# KiCad board Boom-1.kicad_pcb (continued)
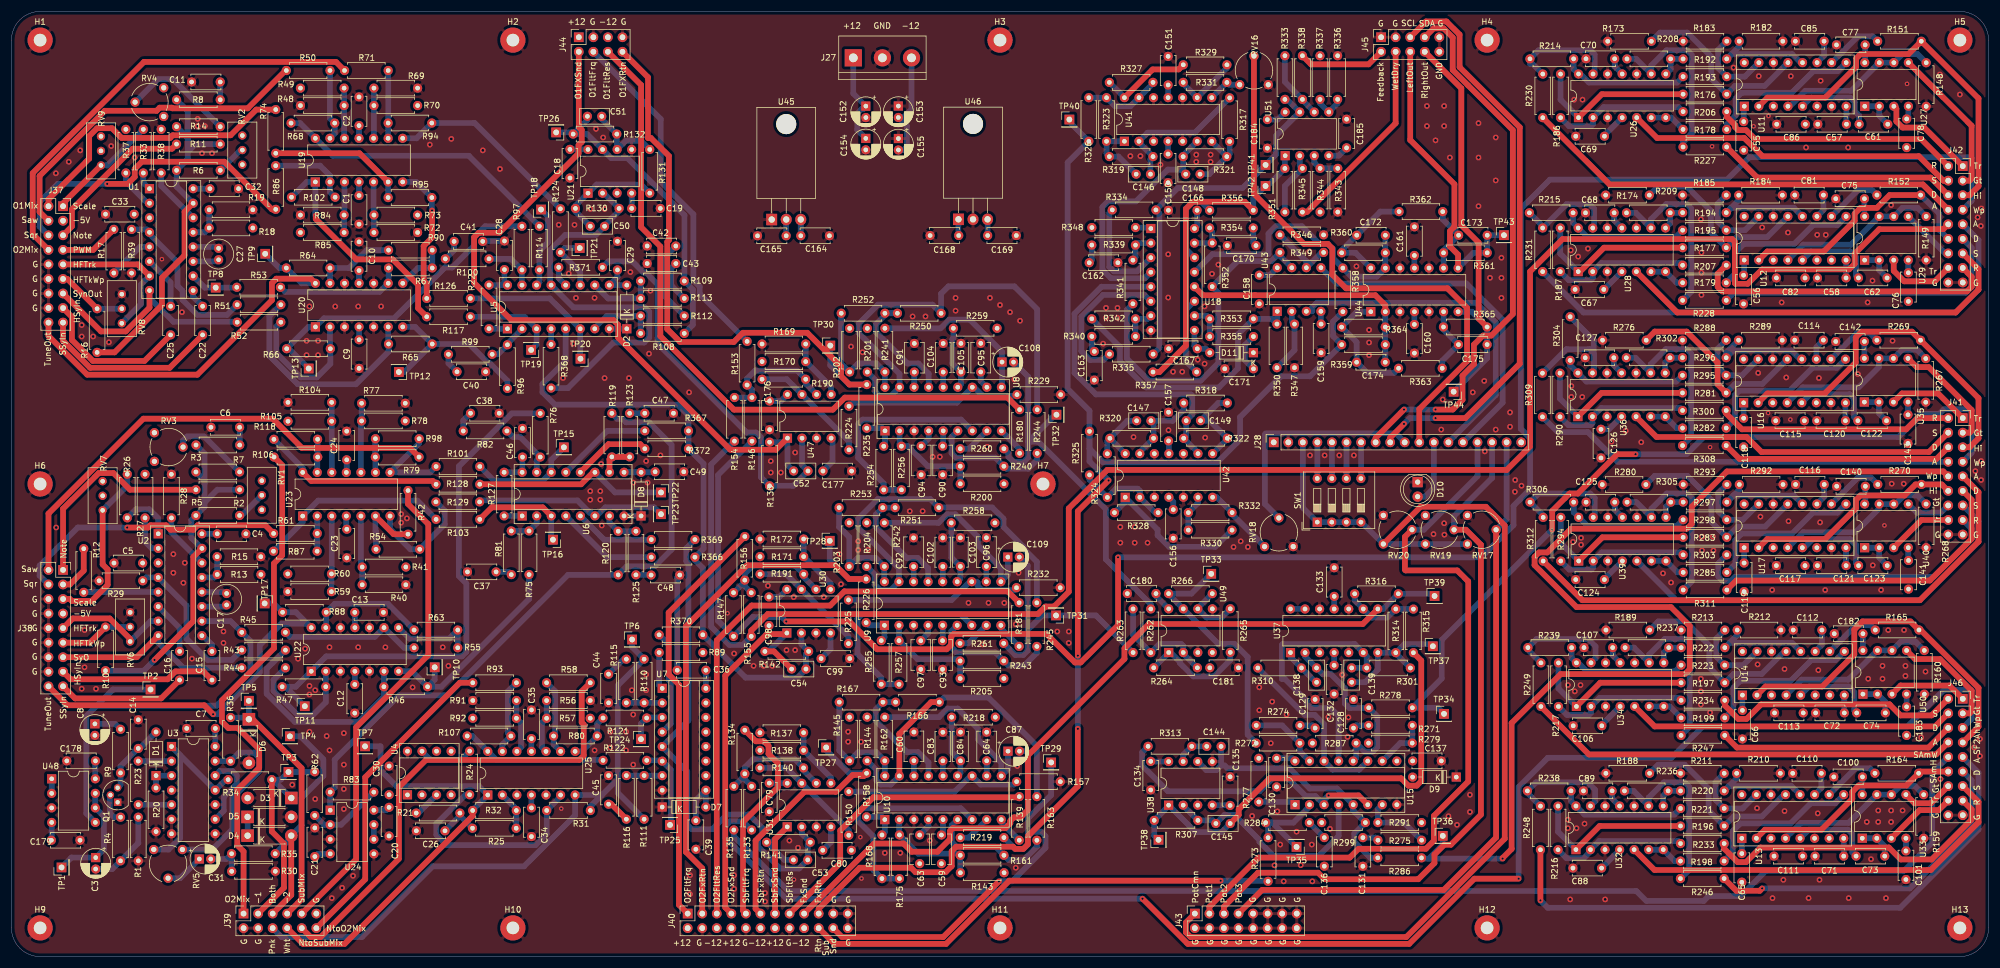
[diagram p0: board, top side]
## Nets (continued)
Net-(R222-Pad2): R222.2 R237.1 U34.8
Net-(R223-Pad2): R223.2 R239.1 U34.14
Net-(R224-Pad1): R224.1 R229.1 U8.12
Net-(R225-Pad1): R225.1 R232.1 U9.12
Net-(R226-Pad1): R226.1 R255.2 U9.1
Net-(R235-Pad1): R235.1 R254.2 U8.1
Net-(R236-Pad2): R236.2 R246.2 U32.9
Net-(R237-Pad2): R237.2 R247.2 U34.9
Net-(R238-Pad2): R238.2 R248.2 U32.13
Net-(R239-Pad2): R239.2 R249.2 U34.13
Net-(R240-Pad1): R240.1 R244.1 U8.6
Net-(R243-Pad1): R243.1 R245.1 U9.6
Net-(R250-Pad2): R250.2 R252.2 U8.15
Net-(R251-Pad2): R251.2 R253.2 U9.15
Net-(R254-Pad1): R254.1 R256.1 U8.7
Net-(R255-Pad1): R255.1 R257.1 U9.7
Net-(R260-Pad2): R260.2 U8.8
Net-(R261-Pad2): R261.2 U9.8
Net-(R262-Pad1): R262.1 R263.2 R264.2 U49.2
Net-(R264-Pad1): R264.1 R265.2 U49.1
Net-(R265-Pad1): R265.1 R266.2 U49.6
Net-(R266-Pad1): R266.1 R272.1 TP33.1 U49.7
Net-(R267-Pad1): R267.1 U16.4 U35.6 U35.7
Net-(R268-Pad1): R268.1 U17.4 U40.6 U40.7
Net-(R269-Pad1): R269.1 U16.10
Net-(R270-Pad1): R270.1 U17.10
Net-(R271-Pad1): R271.1 R279.2 U15.10
Net-(R272-Pad2): R272.2 R274.1 U15.15
Net-(R273-Pad1): R273.1 R284.1 TP35.1 U15.2
Net-(R275-Pad1): R275.1 R291.2 U15.7
Net-(R276-Pad1): R276.1 R281.1 U16.13
Net-(R277-Pad1): R277.1 U15.1
Net-(R280-Pad1): R280.1 R283.1 U17.13
Net-(R281-Pad2): R281.2 R290.1 U36.1
Net-(R282-Pad1): R282.1 U16.9
Net-(R282-Pad2): R282.2 U36.6 U36.7
Net-(R283-Pad2): R283.2 R294.1 U39.1
Net-(R285-Pad1): R285.1 U17.9
Net-(R285-Pad2): R285.2 U39.6 U39.7
Net-(R288-Pad1): R288.1 R295.1 U16.15
Net-(R289-Pad1): R289.1 R296.1 U16.12
Net-(R290-Pad2): R290.2 R300.2 U36.2
Net-(R292-Pad1): R292.1 R297.1 U17.12
Net-(R293-Pad1): R293.1 R298.1 U17.15
Net-(R294-Pad2): R294.2 R303.2 U39.2
Net-(R295-Pad2): R295.2 R304.1 U36.14
Net-(R296-Pad2): R296.2 R302.1 U36.8
Net-(R297-Pad2): R297.2 R305.1 U39.8
Net-(R298-Pad2): R298.2 R306.1 U39.14
Net-(R302-Pad2): R302.2 R308.2 U36.9
Net-(R304-Pad2): R304.2 R309.2 U36.13
Net-(R305-Pad2): R305.2 R311.2 U39.9
Net-(R306-Pad2): R306.2 R312.2 U39.13
Net-(R310-Pad2): R310.2 U15.11 U15.14
Net-(R313-Pad2): R313.2 U15.3 U15.6
Net-(R314-Pad2): R314.2 R315.1 R316.2 U37.9
Net-(R323-Pad1): R323.1 R326.1 R327.2 U41.13
Net-(R324-Pad1): R324.1 R325.1 R328.2 U42.2
Net-(R327-Pad1): R327.1 R329.2 U41.14
Net-(R328-Pad1): R328.1 R330.2 U42.1
Net-(R329-Pad1): R329.1 R331.2 U41.9
Net-(R330-Pad1): R330.1 R332.2 U42.6
Net-(R331-Pad1): R331.1 RV16.3 U41.8
Net-(R332-Pad1): R332.1 RV18.3 U42.7
Net-(R333-Pad1): R333.1 R338.2 U51.6
Net-(R333-Pad2): R333.2 R334.1 R335.2 TP41.1 U51.7
Net-(R334-Pad2): R334.2 U18.3
Net-(R335-Pad1): R335.1 U18.6
Net-(R336-Pad2): R336.2 R337.2 U51.5
Net-(R339-Pad1): R339.1 R341.1 U18.2
Net-(R340-Pad1): R340.1 R342.1 U18.7
Net-(R341-Pad2): R341.2 R349.2 R352.2 U43.7
Net-(R342-Pad2): R342.2 R350.2 R353.2 U43.1
Net-(R343-Pad2): R343.2 R344.2 U51.3
Net-(R345-Pad2): R345.2 R351.1 U51.2
Net-(R346-Pad2): R346.2 R349.1 U43.6
Net-(R347-Pad2): R347.2 R350.1 U43.2
Net-(R348-Pad1): R348.1 U18.1
Net-(R351-Pad2): R351.2 R356.1 R357.2 TP42.1 U51.1
Net-(R352-Pad1): R352.1 R354.1 U18.15
Net-(R353-Pad1): R353.1 R355.1 U18.10
Net-(R356-Pad2): R356.2 U18.14
Net-(R357-Pad1): R357.1 U18.11
Net-(R366-Pad1): R366.1 U6.4
Net-(R367-Pad2): R367.2 U6.13
Net-(R368-Pad1): R368.1 U5.4
Net-(R369-Pad2): R369.2 U6.5
Net-(R370-Pad1): R370.1 U7.4
Net-(R371-Pad2): R371.2 U5.12
Net-(R372-Pad2): R372.2 U6.12
Net-(U3-Pad12): U3.9 U3.12
Net-(U4-Pad2): U4.2
Net-(U4-Pad4): U4.4
Net-(U4-Pad5): U4.5
Net-(U4-Pad6): U4.6
Net-(U11-Pad3): U11.3
Net-(U11-Pad16): U11.16
Net-(U12-Pad3): U12.3
Net-(U12-Pad16): U12.16
Net-(U13-Pad3): U13.3
Net-(U13-Pad16): U13.16
Net-(U14-Pad3): U14.3
Net-(U14-Pad16): U14.16
Net-(U16-Pad3): U16.3
Net-(U16-Pad16): U16.16
Net-(U17-Pad3): U17.3
Net-(U17-Pad16): U17.16
Net-(U24-Pad6): U24.6 U24.7
Net-(U37-Pad13): U37.13 U37.14
Net-(U48-Pad1): U48.1 U48.2

Pads without a net: U7 10 11 12 13 14 15

## Via types
v1: diameter 0.8, hole 0.4, Top to Bottom, 39 vias
v2: diameter 1, hole 0.5, Top to Bottom, 359 vias

## Routing (per net, layer and track width the routed paths; a pad name or vN(x,y) marks a point on that pad's centre or on a via; arc(x,y) is an arc through that point)
+5V: length 614
  +12V.Cu w1: R344.1 226.84,128.48 221.49,128.48 221.27,128.7 ; R78.1 68.72,87.38 70.7,85.4 70.7,73.02 68.82,71.14 R41.1 67.32,66.5 57.76,66.5 56.56,65.3 49.72,65.3 R60.1 ; R78.1 67.22,95.01 49.8,95.01 R105.1 49.75,94.96 49.75,125.74 R85.1 53.56,123.27 63.55,123.27 69.74,129.46 R73.1 R70.1 69.37,150.07 69.37,153.28 66.46,156.19 53.87,156.19 50.43,152.75 R49.1 ; R78.1 72.9,97.69 111,97.69 120.77,107.45 ; C30.1 65.92,28.23 U4.1 70.62,29.75 94.51,29.75 100.2,35.44 100.2,40.8 R57.1 102.5,43.1 102.5,54.71 ; U46.3 170.33,129.53 185.38,144.58 214.93,144.58 227.62,157.27 R337.1 ; U46.3 170.48,128.85 201.1,128.85 201.25,128.7 221.27,128.7 ; U46.3 170.33,126.71 157.44,113.81 127.13,113.81 120.77,107.45 ; 102.5,54.71 115.9,68.11 119.86,68.11 120.77,69.01 120.77,107.45 ; 102.5,54.71 92.81,54.71 82,43.9 82,43.1 R92.1 ; 221.27,128.7 219.33,126.77 219.33,90.71 J28.1
  Bottom w1: U46.3 170.33,125.9 C169.2
+12V: length 187.3
  Bottom w1: U36.4 278.75,92.05 C126.2 ; U29.8 323.35,129.24 C75.2 ; U28.4 277.9,116.47 C67.2 ; U12.11 316.19,130.34 C81.2 ; C100.2 322.97,31.33 U33.8 ; U13.11 315.83,29.44 C110.2 ; C88.2 280.62,18.58 U32.4 ; U44.4 244.82,110.37 C160.2 ; C158.2 219.58,118.96 U43.8 ; C184.2 220.95,146.13 U51.8 ; C166.1 206.89,127.56 U18.16 ; C150.2 U41.4 ; C156.2 202.73,79.42 U42.4 ; U46.1 165.25,125.93 C168.1 ; C154.1 147.59,144.33 147.59,147.2 148.37,147.98 148.68,147.98 149.09,148.39 C152.1 146.9,150.67 J27.1 ; C36.1 121.18,46.82 U7.16 ; U49.8 199.72,62.92 C180.2 ; U38.8 198.83,34.05 C134.2 ; C130.1 223.49,34.61 U15.16 ; U37.4 230.81,50.85 C132.2 ; C124.2 277.97,65.92 U39.4 ; C140.2 323.51,79.13 U40.8 ; C116.2 316.33,80.28 U17.11 ; U16.11 314.96,106.4 C114.2 ; C142.2 323.34,104.43 U35.8 ; C182.2 323.08,53.44 U50.8 ; C112.2 315.92,54.43 U14.11 ; C106.2 277.52,40.48 U34.4 ; C83.1 162.54,31.55 U10.14 ; C104.1 162.59,99.4 U8.14 ; C176.2 134.27,96.98 U47.8 ; C98.2 133.99,62.78 U30.8 ; U9.14 162.49,68.06 162.53,68.09 C102.1 ; U25.4 C34.2 ; U24.8 65.39,25.55 C20.2 ; C8.1 18.09,40.62 R9.1 ; U48.8 14.63,34.13 C178.2 ; C7.2 35.58,36.7 U3.14 ; U23.4 58.44,74.69 C23.2 ; U22.4 59.93,47.53 C12.2 ; C4.1 33.23,73.81 U2.16 ; C46.1 89.17,84.6 U6.16 R127.2 ; C18.2 100.58,140.92 U21.8 ; C28.1 86.03,117.74 U5.16 86.54,117.23 R22.2 ; U20.4 C9.2 ; U19.4 C1.2 ; U1.16 C32.1 ; C69.2 277.98,143.38 U26.4 ; C77.2 323.47,156.14 U27.8 323.39,156.08 ; C85.2 316.3,157.29 U11.11 ; U31.8 132.26,30.26 C79.2
-5V: length 1137.5
  -12V.Cu w1: U2.3 25.59,68.71 C5.2 ; C5.2 14.06,59.88 J38.7 ; C5.2 17.33,74.26 17.33,79.02 15.91,80.44 RV7.3 16.19,82.7 21.81,82.7 R27.1 23.31,93.27 30.54,100.5 85.64,100.5 87.97,102.83 114.73,102.83 C164.1 ; C164.1 136.85,126.73 136.85,129.45 131.63,134.67 131.63,134.78 99.25,134.78 98.89,134.42 71.3,134.42 68.85,136.87 47.13,136.87 45.82,135.56 30.66,135.56 U1.3 22.04,128.98 C33.2 18.46,132.56 ; C164.1 139.28,127.38 156.58,127.38 186.62,97.34 186.62,90.18 194.83,81.96 236.14,81.96 238.72,84.54 318.28,84.54 321.88,80.95 321.88,78.21 U17.6 315.05,70.32 C117.1 314.81,66.42 316.62,66.42 321.33,61.71 321.33,52.22 U14.6 314.75,44.62 C113.1 314.16,41.03 316.01,41.03 321.47,35.57 321.47,27.46 U13.6 314.65,19.61 C111.1 ; C164.1 137.74,125.84 U45.3 ; C164.1 142.51,130.61 166.57,130.61 179.8,143.83 213.17,143.83 221.47,152.13 311.4,152.13 U11.6 315.08,147.36 C86.1 314.86,143.5 316.54,143.5 317.35,142.69 317.35,136.89 312.4,131.94 312.4,130.72 320.86,130.72 321.64,129.94 321.64,128.18 U12.6 315.06,120.56 C82.1 314.8,116.66 316.64,116.66 321.54,111.76 321.54,103.26 U16.6 314.96,95.64 C115.1 ; C164.1 139.24,124.34 157.34,124.34 R259.2 177.42,104.26 177.42,84.21 171.61,78.4 R258.2 172.74,75.71 180.43,68.03 180.43,50.54 ; R287.2 225.53,38.75 191.25,38.75 180.43,49.57 180.43,50.54 ; R287.2 228.52,35.76 235.3,35.76 R279.1 ; R287.2 225.39,35.63 223.25,35.63 222.47,34.85 222.47,25.15 222.74,24.88 227.15,24.88 R299.2 230.14,24.89 244.56,24.89 R291.1 ; 18.46,132.56 18.46,137.82 RV9.2 RV9.3 18.74,143.2 R37.1 ; 18.46,132.56 17.14,132.56 13.04,128.46 J37.3 ; 180.43,50.54 R218.2
  Bottom w1: 25.59,68.71 U2.3 ; C164.1 137.74,125.84 U45.3
-12V: length 139
  Bottom w1: C133.1 230.82,60.69 U37.11 ; C76.1 331,119.4 U29.4 ; U28.11 279.67,128.54 C68.1 ; U32.11 279.31,27.59 C89.1 ; U33.4 C101.1 ; U44.11 244.82,122.39 C161.1 ; U43.4 228.5,110.45 C159.1 ; U51.4 231.61,139.82 C185.1 ; D11.2 208.41,106.11 C167.2 206.44,106.61 U18.9 206.44,109.03 ; C151.1 201.84,149.96 U41.11 ; U42.11 201.97,89.97 C157.1 ; C165.2 135.19,128.67 U45.2 ; C39.2 119.43,27.29 U7.9 121.18,26.11 D7.2 ; C29.2 105.75,118.64 U5.9 D2.2 ; C24.1 58.5,84.58 U23.11 ; U38.4 212.6,26.43 ; U47.4 143.28,90.26 143.28,86.43 C177.1 ; C125.1 279.78,78.01 U39.11 ; U40.4 331,69.19 C141.1 ; C127.1 279.62,103.23 U36.11 ; U35.4 330.95,94.59 C143.1 ; U50.4 330.7,43.61 C183.1 ; C107.1 279.41,52.58 U34.11 ; U30.4 142.93,53.67 C99.1 ; C35.1 U25.11 ; C13.1 59.91,57.44 U22.11 ; C10.1 60.65,117.56 U20.11 ; U24.4 53.41,17.93 C21.1 ; U48.4 7.02,20.37 C179.1 ; C49.2 112.24,84.55 U6.9 D8.2 ; U21.4 C19.1 ; C2.1 U19.11 ; C70.1 279.76,155.4 U26.11 ; U27.4 331.02,146.54 C78.1 ; C155.2 155.63,140.82 156.27,141.46 156.27,144.98 C153.2 155.62,146.49 157.06,147.93 J27.3 ; C80.1 142.99,19.98 U31.4
GND: length 127.3
  +12V.Cu w1: U14.7 315.3,47.64 v2(315.3,50) ; C63.2 147.06,16.22 146.57,16.72 C80.2
  -12V.Cu w1: C117.2 306.89,68.25 C119.2 ; R210.2 307.03,30.35 U13.14 ; C82.2 303.45,113.95 C56.2 301.37,113.07 297.33,113.07 v2(294.9,115.5) ; R182.2 307.46,158.16 U11.14 ; C141.2 334.11,67.22 R268.2 330.22,75.27 v1(326.83,75.27) ; R148.2 334.12,149.02 v1(330.78,152.36) ; J42.18 334.3,117.68 C76.2 ; U9.3 156.61,57.02 156.61,52.21 C97.2
  Bottom w1: C28.2 82.31,124.93 C41.2 ; U2.12 37.29,63.64 C17.1 ; U6.8 D8.1 ; D2.1 U5.8 ; U1.12 35.89,123.9 C27.1 ; C48.2 116.18,66.16 C36.2
  vias: v1(26.25,121.75) v1(95.94,25.83) v1(124.95,59.93) v1(136.55,13.43) v1(148.14,20.85) v1(148.33,13.63) v1(296.41,88.93) v1(296.76,141.45) v1(304,144.95) v1(306.54,94.9) v1(306.6,146.75) v1(310.42,93.75) v2(7.75,136.75) v2(7.8,74.9) v2(10,138.75) v2(12,140.75) v2(12.25,110.25) v2(12.25,108.25) v2(12.25,46.75) v2(12.75,57) v2(12.75,50.5) v2(14.25,108.25) v2(14.75,46.75) v2(17,107.25) v2(17.4,141.5) v2(21.5,139.5) v2(28.25,70.25) v2(28.25,67) v2(29.75,112.5) v2(30,65.25) v2(30.25,68.75) v2(31.5,52) v2(32.5,146.25) v2(32.5,145) v2(33.25,140.25) v2(33.75,145) v2(35,140.25) v2(37,56.75) v2(37,54.75) v2(49,30) v2(50,52) v2(51.25,53.75) v2(51.5,107.5) v2(51.5,105) v2(52,113.5) v2(52,47.25) v2(52,45.75) v2(52,39.25) v2(53,46.5) v2(53,27.5) v2(53.5,107.5) v2(53.5,105) v2(55,38.5) v2(55.5,54) v2(55.5,36) v2(55.9,10.2) v2(56.5,113.5) v2(57.7,12) v2(58,39) v2(58,33.5) v2(58,29.25) v2(58,25.75) v2(59.6,14.1) v2(60.5,113.5) v2(60.5,54) v2(64.5,113.5) v2(65.25,54) v2(68,77.25) v2(68,75.75) v2(69,76.5) v2(70,47) v2(73,141.75) v2(75.25,54) v2(76.25,50.75) v2(76.75,142.75) v2(82.25,140.75) v2(85.25,137.5) v2(95.5,127.75) v2(96.25,101) v2(97.25,119.25) v2(98,107) v2(98.25,127.75) v2(98.5,115) v2(101,130.5) v2(101,81.25) v2(101,79.75) v2(101.75,115) v2(101.75,36) v2(102,144.5) v2(102.75,81.25) v2(102.75,79.75) v2(102.9,86) v2(103,75.25) v2(103.25,143) v2(103.5,130.5) v2(103.5,101) v2(104.5,39.25) v2(104.5,36.5) v2(107.25,39.25) v2(107.25,36) v2(107.75,101) v2(108,119.5) v2(108.25,46.5) v2(108.5,82.75) v2(108.5,42.25) v2(108.5,33.5) v2(110.75,86.5) v2(110.75,49.25) v2(110.75,46.5) v2(111,82.75) v2(111.25,105.25) v2(111.5,116.25) v2(113.25,87.5) v2(118.25,98.5) v2(118.4,14.2) v2(118.4,10.9) v2(126.1,52.9) v2(126.1,14.2) v2(126.1,11.8) v2(129.5,50.75) v2(131.25,50.75) v2(131.5,11.1) v2(131.5,9.6) v2(132,64.75) v2(132.5,86.5) v2(132.5,84.5) v2(132.75,50.75) v2(134.25,84.5) v2(135.25,53.5) v2(135.75,20.25) v2(136.5,62.75) v2(136.75,88) v2(136.75,53.5) v2(137.25,19) v2(141.75,62.75) v2(144.5,70.25) v2(144.75,65) v2(146,39.25) v2(146,37.5) v2(146.5,106.5) v2(147.75,72.5) v2(147.75,71) v2(148.25,37.5) v2(148.5,105.5) v2(149.5,71) v2(152.4,18.1) v2(155.1,18.1) v2(156.75,77.75) v2(157.25,111.75) v2(159,77.75) v2(159.5,111.75) v2(160.25,20.25) v2(160.75,87.25) v2(162,87.25) v2(164.75,115) v2(164.75,112.75) v2(167,61.75) v2(169.5,54.5) v2(170.25,89) v2(170.5,61.75) v2(170.75,115) v2(172.5,113.75) v2(173.25,61.75) v2(174.25,112.5) v2(175,100.75) v2(175.25,58) v2(175.25,15.5) v2(175.5,33.25) v2(175.75,67) v2(176,111) v2(182.5,56.75) v2(184.5,56.75) v2(184.5,54.75) v2(190.5,107) v2(191,113.25) v2(191,111.5) v2(193,113.25) v2(193,111.5) v2(193.5,75) v2(193.5,72.25) v2(195.25,139.75) v2(195.8,90.7) v2(196,75) v2(196,72.25) v2(197,139.75) v2(198.25,72.25) v2(200.5,138.25) v2(201.85,122.6) v2(201.85,115.05) v2(201.9,91.9) v2(202.7,102.1) v2(204.3,102.1) v2(206.75,140) v2(206.75,138.75) v2(207,104.2) v2(208.2,113.5) v2(208.2,103.5) v2(208.3,90.6) v2(209.25,140) v2(209.25,138.75) v2(209.5,119.2) v2(210.6,120.8) v2(213.25,71.5) v2(214.5,72.5) v2(215.75,71.5) v2(216.5,24.55) v2(217.75,47) v2(217.75,43) v2(219.75,37.25) v2(220,44.5) v2(220.4,15.93) v2(220.9,25.35) v2(221.4,19.55) v2(222,13.12) v2(222.5,42.25) v2(224.25,21.8) v2(224.97,15.95) v2(226.5,123.1) v2(226.6,87.5) v2(226.9,19.55) v2(227,13.12) v2(229.15,87.5) v2(229.8,41.8) v2(230.08,22.29) v2(231.7,87.5) v2(232.2,49.2) v2(233.15,38.35) v2(233.3,41.75) v2(234.25,87.5) v2(234.7,120.5) v2(236.9,109.4) v2(236.9,107.2) v2(236.9,105) v2(247,148.5) v2(247,145) v2(248.15,73.75) v2(248.5,142.5) v2(249.5,92) v2(249.75,97.25) v2(250,148.5) v2(250,145) v2(250,75.65) v2(250.05,73.65) v2(250.75,24.5) v2(251,139.5) v2(252.25,23) v2(254.5,28.25) v2(254.5,25.25) v2(255,98.5) v2(256,145.5) v2(256,139.5) v2(256,131) v2(257,100.5) v2(257.1,88.2) v2(258,118.5) v2(259,143) v2(259,135.5) v2(259,92) v2(260,122) v2(260,118.5) v2(260,115) v2(261.5,95) v2(261.5,92.5) v2(262.4,83.2) v2(262.35,81.15) v2(263.5,82.2) v2(271.6,47.4) v2(271.6,23.9) v2(271.6,22.4) v2(272,9.97) v2(272.1,123.3) v2(272.2,99.6) v2(272.2,97.7) v2(272.5,72.4) v2(272.7,149.6) v2(272.8,46.3) v2(273.1,22.4) v2(273.4,122.2) v2(273.8,47.4) v2(273.9,73.1) v2(273.9,71.9) v2(274.15,149.6) v2(274.1,97.7) v2(274.5,23.2) v2(275.1,123.6) v2(278.1,9.97) v2(279.2,89.9) v2(281.7,91.8) v2(284.4,89.8) v2(288.2,66.9) v2(289.6,65.3) v2(294.8,128.7) v2(294.8,48.5) v2(294.8,46.3) v2(294.8,44) v2(294.9,122.9) v2(294.9,119.4) v2(295,73.3) v2(295,70.9) v2(296.4,42.6) v2(296.9,73.3) v2(297,70.9) v2(300.5,155.2) v2(304.6,25.9) v2(304.7,51) v2(304.8,101.9) v2(304.9,153.7) v2(305.2,76.8) v2(305.5,127.3) v2(307.25,64) v2(307.3,10.2) v2(308.9,114.2) v2(309.2,13.4) v2(309.4,50.2) v2(309.4,25.4) v2(309.7,101.1) v2(310,126.4) v2(310.1,76) v2(310.5,153.7) v2(313.15,141.25) v2(313.6,10.2) v2(315.1,126) v2(315.2,25) v2(315.4,101) v2(315.5,13.4) v2(315.6,75.8) v2(315.7,152.9) v2(316.5,64) v2(316.6,126) v2(320.5,141.25) v2(320.6,10.2) v2(322.2,101.7) v2(323.75,23.5) v2(323.9,114.2) v2(324,48.5) v2(324.5,17) v2(324.75,118) v2(324.8,68.3) v2(325.75,25.5) v2(325.75,23.5) v2(326.25,64) v2(326.5,50.75) v2(326.5,48.5) v2(327.1,10.2) v2(327.5,57) v2(328,131.2) v2(328,25.5) v2(328,23.5) v2(328.1,82.55) v2(328.25,107.5) v2(330,25.5) v2(330.2,82.55) v2(330.25,57) v2(330.5,50.75) v2(330.5,49) v2(333.25,38.25) v2(334,49.75) v2(336.5,154) v2(336.6,31) v2(340,150.5) v2(342.5,36.5) v2(342.7,84.75) v2(343.1,129.05) v2(343.5,38) v2(343.5,35) v2(343.65,127.55) v2(343.7,86.5) v2(343.7,83.2) v2(343.75,130.6)
FV1ControlCommonHigh: length 189.7
  Top w1: RV20.1 245.89,78.52 257.29,78.52 260.58,75.24 260.58,20.58 243.41,3.41 205.76,3.41 204.95,4.22 204.95,5.95 J43.1
  Bottom w1: J28.3 225.34,78.36 SW1.1 SW1.2 SW1.3 SW1.4 235.57,75.84 RV20.1 246.72,72.02 RV19.1 RV17.1
FV1ControlPot1Wiper: length 133.5
  Top w1: J43.3 209.04,8.7 217.61,17.27 233.53,17.27 235.07,18.81 246.81,18.81 248.21,20.21 248.21,24.56 254.2,30.55 254.2,65.5 252.29,67.41 243.3,67.41 243.16,67.55 243.16,73.29 RV20.2
  Bottom w1: J28.15 255.82,83.87 246.47,74.52 RV20.2
FV1ControlPot2Wiper: length 125.4
  Top w1: RV19.2 253.8,74.51 256.42,71.9 256.42,24.77 251.17,19.52 250.03,19.52 248.31,17.81 248.31,16.32 245.49,13.5 229.14,13.5 228.01,14.63 217.51,14.63 211.58,8.7 J43.5
  Bottom w1: RV19.2 251.73,76.91 258.36,83.54 J28.16
FV1ControlPot3Wiper: length 120.2
  Top w1: RV17.2 259.07,20.77 249.93,11.63 218.25,11.63 J43.7
  Bottom w1: J28.17 260.9,76.35 RV17.2
FV1EEpromSCL: length 101.3
  Top w1: v1(243,93) 240.58,90.58 J28.9 ; J45.5 246.83,163.25 250.4,163.25 252.7,160.95 252.7,155.27 263.19,144.78 263.19,103.5 253.7,94 v1(248.5,94)
  Bottom w1: v1(243,93) 244,94 v1(248.5,94)
FV1EEpromSDA: length 96.9
  Top w1: J45.7 248.17,162.05 249.9,162.05 251.5,160.45 251.5,154.78 261.99,144.29 261.99,112.18 258.22,108.41 256.78,108.41 255.2,106.83 255.2,103.42 253.21,101.43 253.21,97.2 251.51,95.5 v1(248.5,95.5) ; J28.8 238.04,90.54 v1(243,95.5)
  Bottom w1: v1(248.5,95.5) v1(243,95.5)
FV1FeedbackCV: length 15.2
  Top w1: J45.2 236.81,155.77 226.78,155.77 R338.1
FV1WetDryCV: length 35.2
  Top w1: R345.1 226.03,129.98 241.54,145.49 J45.4
MixOutLeftTip: length 54
  Top w1: U44.8 252.44,122.54 251.02,123.96 251.02,126.65 251.8,127.43 251.8,134.83 244.08,142.55 J45.6
  Bottom w1: U44.8 255.1,122.86 R361.1 C173.1 260.43,125.93
MixOutRightTip: length 72.4
  Top w1: R365.1 256.02,111.39 256.02,124.65 253,127.67 253,151.58 J45.8
  Bottom w1: U44.7 254.83,112.58 R365.1 C175.1 257.5,104.46 TP44.1
NoiseToOsc2FiltMixCV: length 55.5
  Top w1: J39.12 61.73,13.49 61.73,31.3 78.23,47.8 R93.1
NoiseToSubFiltMixCV: length 83.8
  Top w1: J39.10 52.21,3.41 53.94,3.41 67.6,17.07 67.6,29.59 72.33,34.32 99.08,34.32 99.86,35.1 99.86,40.52 99.5,40.88 99.5,46.3 R58.1
Osc1FiltFreqCV: length 61.7
  Bottom w1: J44.4 113.3,146.2 113.3,135.27 119,129.57 119,118.05 120.11,116.94 120.11,115.66 R153.2
Osc1FiltResCV: length 123.2
  Top w1: R180.2 173.82,97.58 145.43,97.58 143.33,95.48 126.06,95.48 113.23,108.31 113.23,123.97 109.88,127.32 109.88,152.16 J44.6
Osc1FXReturn: length 104.5
  Top w1: R235.2 146.23,99.86 144.76,101.33 144.76,103 138.86,108.9 127.65,108.9 126.04,107.3 116.69,107.3 114.43,109.55 114.43,124.77 114.73,125.07 114.73,139.77 111.6,142.9 111.08,142.9 111.08,153.5 J44.8
  Bottom w1: TP30.1 142.89,103.2 146.23,99.86 R235.2
Osc1FXSend: length 128.9
  Top w1: U47.1 133.39,88.48 125.44,88.48 105.88,108.04 105.88,110.27 105.05,111.1 87.25,111.1 80.74,117.61 80.74,125.57 81.52,126.35 85.11,126.35 98.96,140.2 98.96,141.64 99.51,142.2 99.51,144.31 99,144.83 J44.2
  Bottom w1: C52.2 135.41,85.85 U47.1 134.71,89.8 R136.1
Osc1HardSyncIn: length 26.8
  Top w1: C25.1 23.22,103.98 14.22,103.98 10.55,107.65 10.55,111.67 J37.15
Osc1HFTrackHigh: length 26.2
  Top w1: U1.7 22.06,120.84 J37.9
  Bottom w1: U1.7 22.58,117.32 22.58,113.89 RV8.1
Osc1HFTrackWiper: length 12.4
  Top w1: J37.11 9.74,118.3 R16.2
  Bottom w1: RV8.2 R16.2
Osc1NoteCV: length 28.1
  Top w1: 28.81,141.84 28.01,141.04 21.14,141.04 10.55,130.45 10.55,127.47 J37.5
Osc1PWMCV: length 10.3
  Top w1: R17.1 14.28,123.38 J37.7
Osc1SawMixCV: length 59.2
  Top w1: R50.1 47.84,154.69 41.24,148.08 28.09,148.08 27.97,148.2 25.87,148.2 25.33,147.66 16.28,147.66 4.91,136.29 4.91,130.01 J37.4
Osc1Scale: length 19.9
  Top w1: J37.1 9,131.5 RV9.1
  Bottom w1: RV9.1 16.71,138.12 R33.1
Osc1SoftSyncIn: length 31.9
  Top w1: C22.1 27.61,102.78 13.72,102.78 9,107.51 J37.17
Osc1SqrMixCV: length 54.8
  Top w1: v1(16.7,134.9) 20.28,134.9 21.51,136.13 21.51,137.52 22.76,138.77 37.13,138.77 45.45,130.45 R86.1
  Bottom w1: J37.6 4.91,127.47 4.91,131.74 8.07,134.9 v1(16.7,134.9)
Osc1SyncOut: length 40.7
  Top w1: J37.13 15.62,109.14 19.94,109.14 24.08,113.29 U1.8
  Bottom w1: 39.25,110.83 28.25,110.83 24.08,114.99 U1.8
Osc1ToOsc1FiltMixCV: length 51.1
  Top w1: J37.2 6.46,132.2 13.56,139.3 13.56,143.24 14.94,144.62 17.54,144.62 19.24,142.92 27.67,142.92 28.14,143.38 38.23,143.38 42.72,147.87 R74.1
Osc1ToOsc2FiltMixCV: length 77.6
  Top w1: R71.1 56.62,156.19 23.12,156.19 3.71,136.79 3.71,126.13 J37.8
Osc1TuningOut: length 71.6
  Top w1: J37.18 6.46,108.35 13.23,101.58 32.44,101.58 45.44,114.59 45.44,117.57 46.22,118.35 52.24,118.35 U20.14
  Bottom w1: TP9.1 46.75,120.22 R64.1 50.63,117.55 U20.14
Osc2FiltFreqCV: length 72.7
  Top w1: J40.1 116.47,9.03 116.47,47.48 114.68,49.27 114.68,60.04 R156.2
Osc2FiltResCV: length 104.8
  Top w1: R181.2 173.86,63.75 145.34,63.75 142.87,61.28 129.16,61.28 123.08,55.2 J40.5
Osc2FXReturn: length 99.2
  Top w1: R226.2 146.16,65.91 143.75,68.32 128.36,68.32 117.7,57.66 117.7,18.24 120.54,15.4 J40.3
  Bottom w1: TP28.1 142.79,69.28 146.16,65.91 R226.2
Osc2FXSend: length 66.9
  Top w1: J40.7 124.55,8.57 124.55,49.05 131.78,56.28 135.11,56.28 U30.1 ; R142.1 133.06,53.27 C54.2
  Bottom w1: R142.1 132.1,53.27 U30.1
Osc2HardSyncIn: length 22.5
  Top w1: C16.1 26.12,45.07 11.11,45.07 J38.17
Osc2HFTrackHigh: length 20.7
  Top w1: RV6.1 20.71,55.45 17.13,59.03 10.69,59.03 J38.9
  Bottom w1: U2.7 24.27,58.56 RV6.1
Osc2HFTrackWiper: length 12.8
  Top w1: R10.2 13.69,54.8 J38.11
  Bottom w1: RV6.2 16.43,57.54 R10.2
Osc2NoteCV: length 37.6
  Top w1: R5.2 20.69,81.5 17.79,84.41 15.23,84.41 9,78.18 J38.1
Osc2PWMCV: length 8.4
  Top w1: R12.1 12.61,67.37 10.2,64.96 J38.3
Osc2SawMixCV: length 84.4
  Top w1: R79.1 69.53,88.8 50.69,88.8 45.58,93.91 23.03,93.91 6.46,77.33 J38.2
  Bottom w0.25: R79.1 71.32,87.41
Osc2Scale: length 30.6
  Top w1: RV7.1 15.91,68.46 16.79,67.58 16.79,64.88 13.99,62.08 10.54,62.08 10.2,62.42 J38.5
  Bottom w1: RV7.1 20.21,82.2 R26.1
Osc2SoftSyncIn: length 27.7
  Top w1: J38.15 10.32,48.4 27.24,48.4 28.61,49.78 33.48,49.78 C15.1
Osc2SqrMixCV: length 48.9
  Top w1: v1(20.2,74.9) 23.85,74.9 24.25,75.3 26.97,75.3 27.75,74.52 31.73,74.52 32.51,75.31 44.3,75.31 R61.1
  Bottom w1: v1(20.2,74.9) 11.57,74.9 4.91,68.24 4.91,66.51 J38.4
Osc2SyncOut: length 35.8
  Top w1: J38.13 21.85,52.26 U2.8
  Bottom w1: U2.8 25.61,54.78 29.99,50.41 R44.2
Osc2TuningOut: length 67.3
  Top w1: v1(35.2,42.3) 33.63,43.87 9.77,43.87 J38.18
  Bottom w1: TP17.1 45.77,61.65 R88.1 49.63,60.1 U22.14 51.63,58.11 47.09,58.11 43.33,54.35 43.33,49.63 36,42.3 v1(35.2,42.3)
OscAmpEnvAmtHigh: length 61.4
  Top w1: U16.2 306.42,98.31 316.43,98.31 321.83,103.71 321.83,108.09 322.84,109.1 331.64,109.1 R269.2 343.25,97.49 343.25,90.47 341.7,88.92 J41.5
OscAmpEnvAmtWiper: length 140.7
  Top w1: v1(268.86,74.54) 268.86,77.8 271.89,80.83 273.33,80.83 280.19,87.7 v1(283.4,87.7)
  Bottom w1: TP34.1 248.92,43.43 R278.1 249.58,48.55 249.58,55.26 v1(268.86,74.54) ; J41.7 342.05,87.93 342.05,95.41 341.91,95.55 337.22,95.55 336.41,94.74 333.32,94.74 329.29,90.71 295.33,90.71 292.32,87.7 v1(283.4,87.7)
OscAmpEnvAttackCV: length 74.1
  Bottom w1: R309.1 269.82,91.56 275.08,91.56 280.26,86.38 J41.8
OscAmpEnvDecayCV: length 40.5
  Top w1: J41.6 335.93,86.89 301.55,86.89 R308.1
OscAmpEnvGate: length 20.1
  Top w1: U35.5 332.47,102.9 334.56,102.9 342.05,95.41 342.05,91.81 341.7,91.46 J41.3
OscAmpEnvReleaseCV: length 41.2
  Top w1: J41.2 332.58,94 330.63,92.05 301.98,92.05 299.23,94.8 R300.1
OscAmpEnvSustainCV: length 58.4
  Top w1: J41.4 334.59,88.09 305.38,88.09 302.76,90.71 287.06,90.71 U36.5
OscAmpEnvTrigger: length 14.5
  Top w1: J41.1 336.19,98.31 329.91,98.31 U35.3
OscFiltEnv1AmtHigh: length 66.7
  Top w1: J42.5 341.7,132.92 343.25,134.47 343.25,149.81 R151.2 331.04,157.57 322.68,157.57 321.9,156.79 321.9,155.35 316.5,149.95 306.42,149.95 U11.2
OscFiltEnv1AmtWiper: length 347.6
  Top w1: v1(193.1,69.7) 193.1,57.86 186.58,51.34 185.58,51.34 180.6,56.32 164.43,56.32 163.97,55.86 163.97,54.42 163.19,53.64 151.08,53.64 146.22,58.5 v1(135.2,58.5)
  Bottom w1: R146.1 123.3,84.06 123.3,58.6 R147.1 129.38,59.28 134.42,59.28 v1(135.2,58.5) ; J42.7 342.05,131.93 342.05,139.41 341.91,139.55 303.27,139.55 299.36,135.64 268.45,135.64 263.38,130.57 263.38,92.14 264.99,90.52 264.99,81.56 262.1,78.67 262.1,75.31 256.49,69.7 v1(193.1,69.7)
OscFiltEnv1AttackCV: length 83.2
  Top w1: 333.89,134.45 J42.8 333.54,134.8 278.87,134.8 R230.1
OscFiltEnv1DecayCV: length 42.1
  Top w1: J42.6 334.88,136 304.64,136 R227.1
OscFiltEnv1Gate: length 26.5
  Top w1: U27.5 342.05,145.03 342.05,135.81 341.7,135.46 J42.3
OscFiltEnv1ReleaseCV: length 43.3
  Top w1: R206.1 299.32,146.62 300.81,145.13 300.81,144.79 301.32,144.28 302.7,144.28 304.24,142.74 333.22,142.74 J42.2
OscFiltEnv1SustainCV: length 58.9
  Top w1: U26.5 287.17,142.91 302.37,142.91 305.54,139.74 332.84,139.74 337.12,135.46 J42.4
OscFiltEnv1Trigger: length 17.6
  Top w1: J42.1 333.76,144.74 330,144.74 328.92,145.82 328.92,148.01 U27.3
OscFiltEnv2AmtHigh: length 43.3
  Top w1: U12.2 306.4,123.1 316.24,123.1 321.64,128.5 321.64,129.69 322.66,130.71 325.51,130.71 327.75,132.95 R152.2
  Bottom w1: R152.2 336.41,129.68 336.41,126.85 J42.12
OscFiltEnv2AmtWiper: length 320.6
  Top w1: R155.1 129.09,56.9 131.98,59.79 179.12,59.79 180.43,61.1 181.93,61.1 184.5,63.67 184.5,78.24 191.22,84.96 260.92,84.96 264.99,89.04 ; 300.74,123.76 300.74,124.76 300.24,125.26 270.66,125.26 264.99,119.59 264.99,89.54 ; 300.74,123.76 300.74,124.48 ; 300.74,123.76 300.74,117.56 300.85,117.45 302.97,117.45 305.5,119.98 320.68,119.98 321.64,120.94 321.64,122.71 325.92,126.99 337.11,126.99 J42.10
  Bottom w1: R154.1 122.1,85.92 122.1,57.58 125.28,54.4 127.59,54.4 R155.1
